# Allegro board A733_PRO2_AXP318_LPDDR4_4X_200BALL_32X1_V1_1.brd (continued)
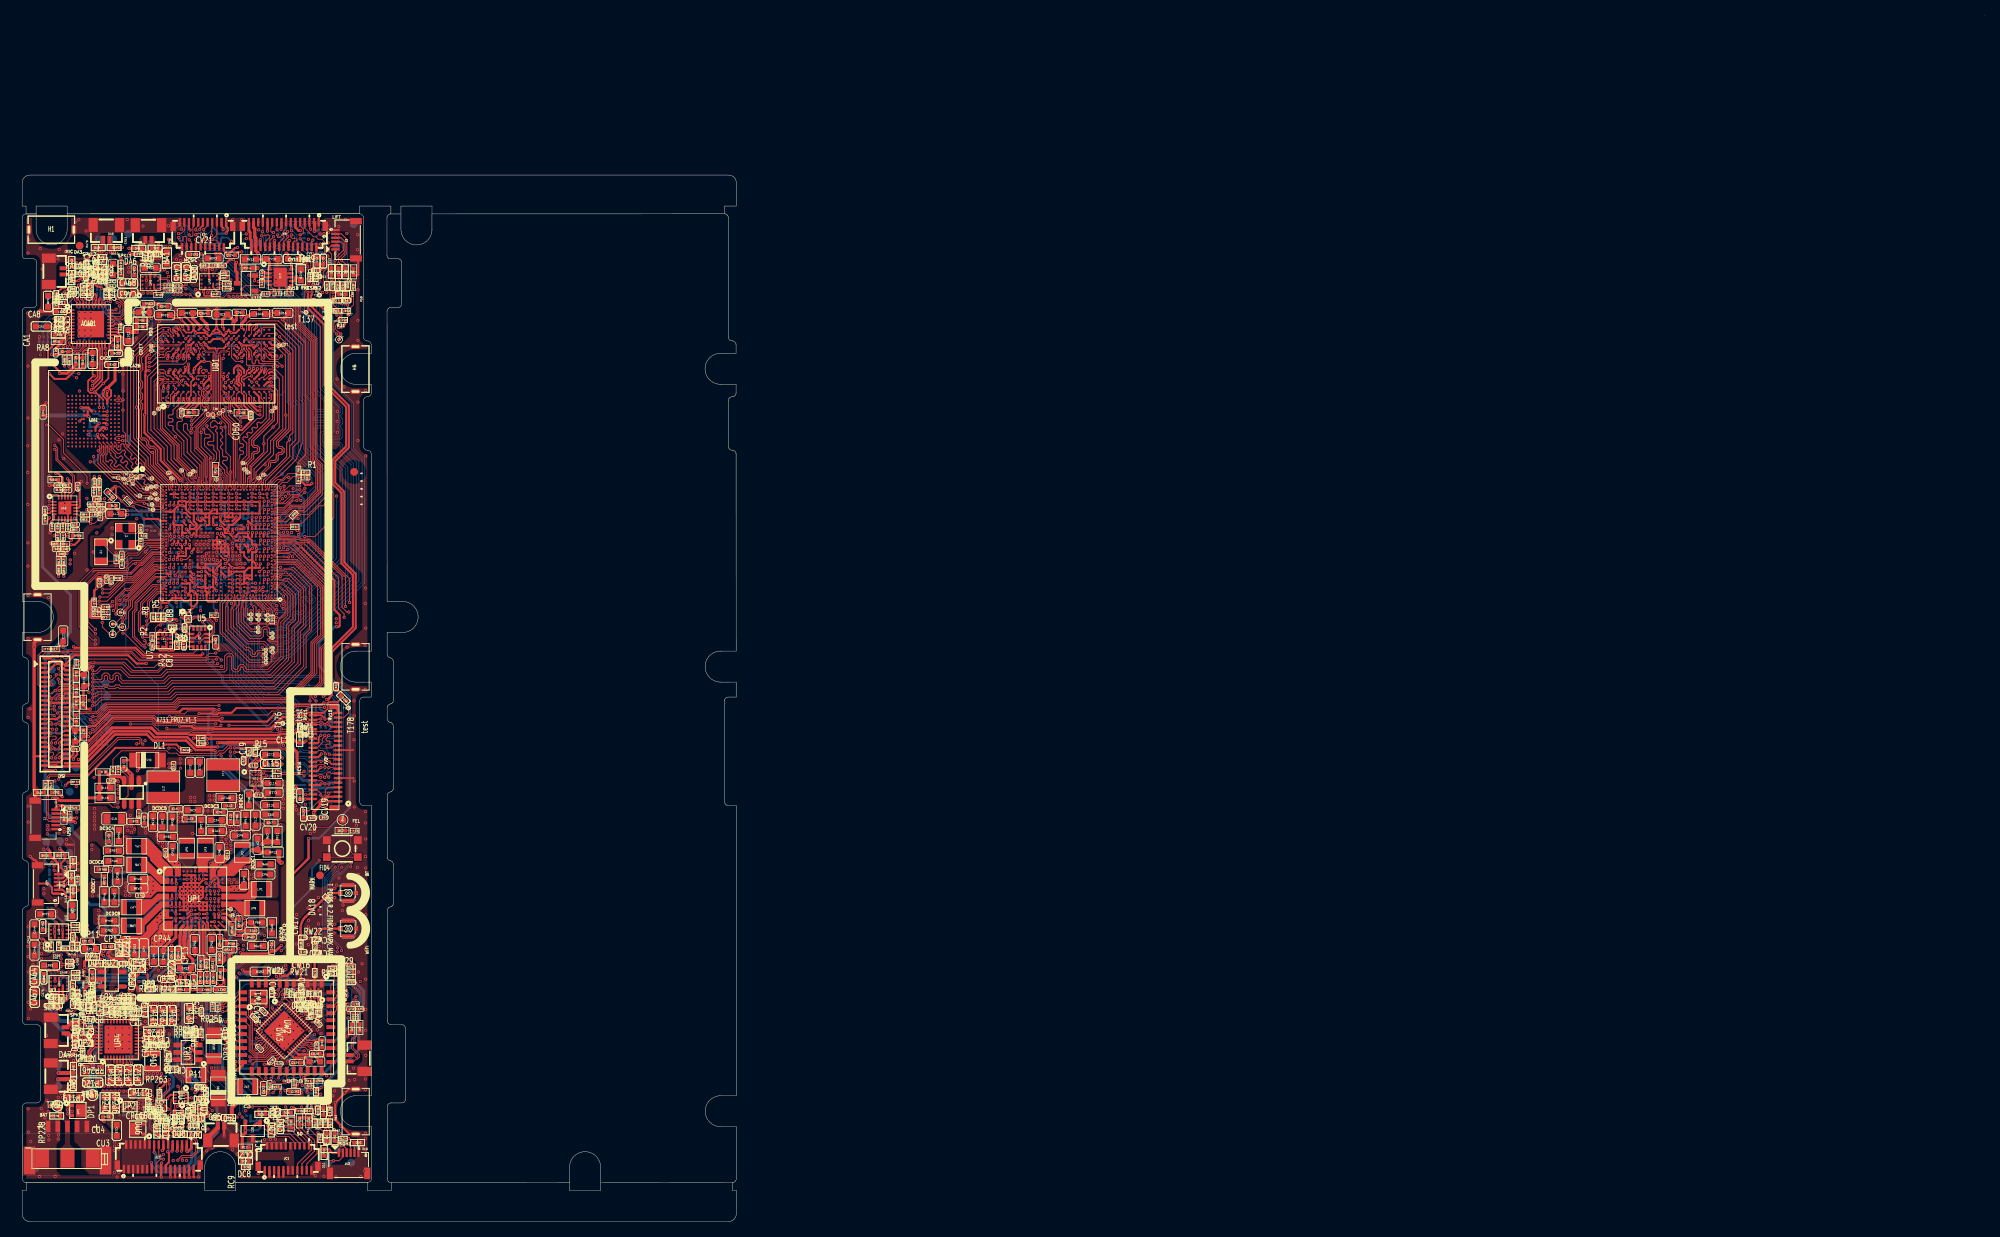
[diagram p0: board, top side]
## Nets (continued)
CLDO1: C21.1 CD45.1 CD46.1 CD47.1 CD48.1 CD49.1 CD50.1 CD51.1 CD52.1 CD53.1 CP32.2 RP7.1 RP36.1 RP263.1 RW37.2 U1.1P22(VCC-PM) UD1.F1(VDD1-0) UD1.F12(VDD1-1) UD1.G4(VDD1-2) UD1.G9(VDD1-3) UD1.T4(VDD1-4) UD1.T9(VDD1-5) UD1.U1(VDD1-6) UD1.U12(VDD1-7)
CLDO2: C116.1 CP33.2 RP32.1 U1.1F13(VCC18-HDMI)
CLDO4: UP1.L8(CLDO4)
CODEC0-AVDD: CA81.1 CA82.1 CA101.1 CA102.1 RA59.2 RA64.2 UA6.10(AVCC) UA6.18(VCC_DIO)
CODEC-IRQ: RA1.1 RA29.2 UA1.24(IRQ)
CODEC-RST: RA2.1 RA20.2
CPUS-RX: RU5.2 TP44.1(TP) U1.K36(PL3/S-UART1-RX/S-UART0-RX/S-TWI)
CPUS-TCK: TP46.1(TP) U1.J37(PL5/S-JTAG-CK/S-TWI2-SDA/S-SPI0) U2.9(INT2)
CPUS-TDI: RV16.2 TP48.1(TP) U1.G36(PL7/S-JTAG-DI/S-UART0-RX/S-SPI0)
CPUS-TDO: JV2.32(HALL-INT) RV11.1 T174.1(TP) TP47.1(TP) U1.H36(PL6/S-JTAG-DO/S-UART0-TX/S-SPI0)
CPUS-TMS: TP45.1(TP) U1.K37(PL4/S-JTAG-MS/S-TWI2-SCK/S-SPI0) U2.4(INT1/INT)
CPUS-TX: RU7.1 TP43.1(TP) U1.L36(PL2/S-UART1-TX/S-UART0-TX/S-TWI) UU1.4(EN)
CPUX-RX: RA4.2 TP38.1(TP) U1.1W3(PB10/UART0-RX/I2S0-DIN3/I2S0-DO)
CPUX-TCK: R32.2 R57.2 R60.2 R61.2 R64.2 TP39.1(TP) U1.AE2(PB1/UART2-RX/UART0-RX/SPI2-CLK/)
CPUX-TDI: R30.2 RA2.2 TP36.1(TP) U1.1U3(PB3/UART2-CTS/SPI2-MISO/HDMI-SD)
CPUX-TDO: R33.2 RA1.2 TP40.1(TP) U1.1U2(PB2/UART2-RTS/SPI2-MOSI/HDMI-SC)
CPUX-TMS: R31.2 R58.2 R59.2 R62.2 R63.2 TP37.1(TP) U1.AE1(PB0/UART2-TX/UART0-TX/SPI2-CS0/)
CPUX-TX: RA3.2 TP35.1(TP) U1.1W4(PB9/UART0-TX/I2S0-DIN2/I2S0-DOU)
CPVDD: CA13.1 RA15.2 UA1.22(CPVDD)
D+: DU7.2(CATHODE) JU1.16 LU1.2 RU12.1
D-: DU8.2(CATHODE) JU1.15 LU1.3 RU11.1
DC8SET: RP55.2 RP57.1 UP1.E11(DC8SET)
DCDC1: CW9.1 CW10.1 CW19.1 CW24.1 CW25.1 RP6.2 UP1.C15(DCDC1#C15) UP1.D15(DCDC1#D15) UW2.9(VBAT) UW3.24(VBAT) UW3.33(VDD33_PA)
DCDC2: C56.1 C57.1 C58.1 C59.1 C60.1 C63.1 C64.1 C65.1 C66.1 C67.1 C68.1 C71.1 C72.1 C73.1 C74.1 C75.1 C76.1 C111.1 C129.1 C131.1 CM7.1 R75.1 RP14.2 RP127.1 U1.1G13(VDD08-HDMI) U1.1J9(VDD-SYS0) U1.1J10(VDD-SYS1) U1.1K9(VDD-SYS2) U1.1L9(VDD-SYS3) U1.1L10(VDD-SYS4) U1.1M10(VDD-SYS5) U1.1P9(VDD-VE0) U1.1R8(VDD-VE1) U1.1R12(VDD-SYS6) U1.1U10(VDD-SYS7) U1.1V18(VDD-SYS8) U1.1V22(VDD-UFS)
DCDC3: C24.1 C25.1 C26.1 C27.1 C28.1 C29.1 C30.1 C31.1 C32.1 C33.1 RP17.2 U1.1J18(VDD-CPUB0) U1.1J19(VDD-CPUB1) U1.1K14(VDD-CPUB2) U1.1K15(VDD-CPUB3) U1.1K16(VDD-CPUB4) U1.1K17(VDD-CPUB5) U1.1K19(VDD-CPUB6) U1.1L15(VDD-CPUB7) U1.1L16(VDD-CPUB8)
DCDC4: C42.1 C43.1 C44.1 C52.1 C53.1 RP24.2 U1.1T15(VDD-GPU0) U1.1T16(VDD-GPU1) U1.1T17(VDD-GPU2) U1.1T18(VDD-GPU3) U1.1U18(VDD-GPU4)
DCDC5: C34.1 C35.1 C36.1 C45.1 C46.1 C47.2 C54.1 C55.1 C130.1 C257.1 C258.1 C259.2 RP30.2 U1.1L18(VDD-CPUL0) U1.1M16(VDD-CPUL1) U1.1M17(VDD-CPUL2) U1.1M18(VDD-CPUL3) U1.1M19(VDD-CPUL4) U1.1P17(VDD-CPUL5) U1.1P18(VDD-CPUL6) U1.1P19(VDD-CPUL7)
DCDC6: CD35.1 CD36.1 CD37.1 CD38.1 CD39.1 CD40.1 CD41.1 CD42.1 RP15.1 RP41.2 U1.1V14(VCC-DRAML0) U1.1W15(VCC-DRAML1) U1.1Y14(VCC-DRAML2) UP1.C2(DCDC6)
DCDC7: CD1.1 CD2.1 CD3.1 CD4.1 CD5.1 CD6.1 CD7.1 CD8.1 CD9.1 CD10.1 CD11.1 CD12.1 CD13.1 CD14.1 CD15.1 CD54.1 CD55.1 CD56.1 CD57.1 CD58.1 RD1.2 RD2.2 RP20.1 RP45.2 U1.1W10(VCC-DRAM0) U1.1W11(VCC-DRAM1) UD1.A4(VDD2-0) UD1.A9(VDD2-1) UD1.AB4(VDD2-22) UD1.AB9(VDD2-23) UD1.F5(VDD2-2) UD1.F8(VDD2-3) UD1.H1(VDD2-4) UD1.H5(VDD2-5) UD1.H8(VDD2-6) UD1.H12(VDD2-7) UD1.K1(VDD2-8) UD1.K3(VDD2-9) UD1.K10(VDD2-10) UD1.K12(VDD2-11) UD1.N1(VDD2-12) UD1.N3(VDD2-13) UD1.N10(VDD2-14) UD1.N12(VDD2-15) UD1.R1(VDD2-16) UD1.R5(VDD2-17) UD1.R8(VDD2-18) UD1.R12(VDD2-19) UD1.U5(VDD2-20) UD1.U8(VDD2-21) UP1.G2(DCDC7)
DCDC8: CP52.2 LP8.2 RP49.1 UP1.J2(DCDC8)
DCDC9: CP50.2 RP54.2 UP1.J14(DCDC9) UP1.P12(ELDOIN)
DCXO-XIN: C61.1 U1.Y36(DXIN) Y1.1(XIN)
DCXO-XOUT: R19.1 U1.AA36(DXOUT)
DDR-PARA-SEL-ADC: R2.2 R7.1 U1.1D25(BOARD-ID-ADC0)
DDR-PARA-SEL-GPIO: R1.1 R6.2 U1.AU2(PH16/UART5-CTS/IR-TX/PH-EINT16)
DECAP2: CW11.2 UW3.4(AVDD0)
DLDO1: C49.1 CP41.2 U1.1W5(VCC-EFUSE) UP1.R3(DLDO1)
DLDO2: UP1.P5(DLDO2)
DLDO4: UP1.P4(DLDO4)
DLDO5: CP46.2 R40.1 UP1.N6(DLDO5)
DLDO6: CP48.2 UP1.M6(DLDO6)
DP-REXT: R68.2 U1.1A19(DP-REXT)
DXLDO-OUT: C41.1 U1.1T21(DXLDO-OUT)
ELDO1: CP51.2 UP1.R13(ELDO1)
ELDO2: UP1.R14(ELDO2)
ELDO3: UP1.P15(ELDO3)
ELDO6: C6.1 C22.1 C23.1 CP58.2 RP56.1 U1.1D21(VDD08-USB) U1.1M20(VDD-CPUS)
EMMC-CLK: RM1.2 T96.1(TP) UM1.M6(CLK)
EMMC-CMD: RM5.1 T97.1(TP) T108.1(TP) U1.AL36(PC6/NAND-RB0/SDC2-CMD/SDC3-CMD/) UM1.M5(CMD)
EMMC-D0: T89.1(TP) T103.1(TP) U1.AR36(PC10/NAND-DQ5/SDC2-D0/SDC3-D0/S) UM1.A3(DAT0)
EMMC-D1: T88.1(TP) T106.1(TP) U1.AP37(PC13/NAND-DQ3/SDC2-D1/SDC3-D1/P) UM1.A4(DAT1)
EMMC-D2: T91.1(TP) T107.1(TP) U1.AN36(PC15/NAND-DQ1/SDC2-D2/SDC3-D2/S) UM1.A5(DAT2)
EMMC-D3: T90.1(TP) T102.1(TP) U1.AT37(PC8/NAND-DQ7/SDC2-D3/SDC3-D3/SP) UM1.B2(DAT3)
EMMC-D4: T94.1(TP) T101.1(TP) U1.AT36(PC9/NAND-DQ6/SDC2-D4/SDC3-D4/SP) UM1.B3(DAT4)
EMMC-D5: T93.1(TP) T100.1(TP) U1.AP36(PC11/NAND-DQ4/SDC2-D5/SDC3-D5/S) UM1.B4(DAT5)
EMMC-D6: T95.1(TP) T105.1(TP) U1.AN37(PC14/NAND-DQ2/SDC2-D6/SDC3-D6/P) UM1.B5(DAT6)
EMMC-D7: T92.1(TP) T104.1(TP) U1.AM36(PC16/NAND-DQ0/SDC2-D7/SDC3-D7/S) UM1.B6(DAT7)
EMMC-DS: RM6.1 T99.1(TP) T110.1(TP) U1.1AD26(PC0/NAND-WE/SDC2-DS/SDC3-DS/PC-) UM1.H5(RCLK)
EMMC-RST: RM4.1 T98.1(TP) T111.1(TP) U1.1AD25(PC1/NAND-ALE/SDC2-RST/SDC3-RST/) UM1.K5(RST)
ENN: RL7.1 U1.1AE1(PH10/DMIC-DATA1/SPI2-MOSI/RGMII) UL1.A1(ENN)
ENP: RL5.1 U1.1AC1(PH9/DMIC-DATA0/SPI2-CS0/RGMII0-) UL1.B1(ENP)
FEL: D12.2(CATHODE) R34.2 TP49.1(TP) U1.1W1(FEL)
FLASH-EN: CV15.1 QV1.1(GATE) RV16.1 RV19.2 RV20.2 UV1.5(EN/SET)
FLASH-MODE: RV15.2 U1.AR2(PH14/UART5-RX/RGMII0-TXD2/RMII0)
FLED+: CV11.1 CV13.1 JV1.30(FLED+) JV1.31(FLED+1) RV14.2 T152.1(TP) UV1.10(VOUT)
FLED-: JV1.28(FLED-) JV1.29(FLED-1) QV1.3(DRAIN) RV18.2 T151.1(TP) UV1.7(FB)
GPADC: T59.1(TP) UP1.L14(GPADC)
GPIO1: T56.1(TP) UP1.L12(GPIO1)
GPIO2: T57.1(TP) UP1.G12(GPIO2)
GPIO3: T58.1(TP) UP1.E12(GPIO3)
GPIOA8-RX: T113.1(TP) T129.1(TP) UW2.30(TCXO_IN) UW3.14(GPIOA8)
GPIOA9-TX: RW33.1 T112.1(TP) T128.1(TP) UW2.29(VDD_TCXO) UW3.15(GPIOA9)
GS-INT: R44.1 U1.1AC2(PH11/DMIC-DATA2/SPI2-MISO/RGMII) U7.5(INT1)
HBIAS: CA27.1 RA30.2 UA1.2(HBIAS)
HP-DET: RA12.2 RA14.2 RA76.1
HP-DET-1: DA14.2(CATHODE) JA7.4 RA76.2 TP97.1(TP)
HPOUTFB-1: CA30.2 CA33.1 DA17.2(CATHODE) JA7.2 RA32.2 RA36.1 RA73.2 TP98.1(TP)
HPOUTFB-2: RA73.1 UA1.18(HPOUTFB) UU2.A2(SENSE)
HPOUTL-1: DA15.2(CATHODE) JA7.1 RA33.1 RA74.2 TP101.1(TP)
HPOUTL-2: CA31.1 RA74.1 UA1.17(HPOUTL) UU3.3(HPOUTL)
HPOUTR-1: DA13.2(CATHODE) JA7.3 RA75.2 TP99.1(TP)
HPOUTR-2: CA29.1 RA75.1 UA1.19(HPOUTR) UU3.9(HPOUTR)
HS-MIC-1: DA16.2(CATHODE) JA7.5 RA72.2 TP100.1(TP)
HS-MIC-2: CA30.1 CA34.1 RA30.1 RA31.2 RA72.1 UU2.C3(MIC)
I2S0-BCLK: U1.AG2(PB5/I2S0-BCLK/SPI2-CS2/PWM0-1/L) UA1.29(BCLK) UA6.1(BCLK)
I2S0-DIN0: U1.AJ2(PB8/CLK-FANOUT3/I2S0-DIN0/I2S0-) UA1.27(SDOUT) UA6.3(PDMDAT/DOUT)
I2S0-DOUT0: U1.AH2(PB7/CLK-FANOUT2/I2S0-DOUT0/I2S0) UA1.26(SDIN)
I2S0-LRCK: U1.AH1(PB6/CLK-FANOUT1/I2S0-LRCK/SPI2-) UA1.28(LRCK) UA6.2(PDMCLK/LRCK)
I2S0-MCLK: RA99.1 UA1.30(MCLK) UA6.20(MCLK)
LCD-FMASK: JL1.20(TE) RL42.1 RL43.2 U1.1C1(PJ25/PWM1-7/UART4-RX/TWI4-SDA/S)
LCD-PWM: RL8.1 U1.1L1(PD22/PWM0-4/EINK-STV/PCIE-PERST)
LCD-RST: CL16.1 JL1.19(REST) U1.1L2(PD21/LCD0-VSYNC/TWI0-SDA/EINK-M)
LDOIN/RSTN: CA17.1 RA17.1 RA18.2 RA20.1 UA1.36(LDOIN/RSTN)
LINEINL/MICIN4N: CA32.1 RA85.2 UA1.4(LINEINL/MIC4N)
LINEINR/MICIN4P: CA28.1 RA86.2 UA1.3(LINEINR/MIC4P)
LRADC0: C86.1 C110.1 D1.2(CATHODE) D7.2(CATHODE) R25.1 R26.1 R27.2 R49.2 R50.1 R51.1 U1.1D23(LRADC0)
MBIAS: CA5.2 CA15.2 RA5.2 RA19.2 UA1.38(MBIAS)
MBIAS1: CA91.1 UA6.5(MICBIAS1)
MBIAS2: CA92.1 UA6.13(MICBIAS2)
MCSI-MCLK: CV2.1 CV21.1 JV1.7(MCLK) JV3.7(MCLK) RV1.2 T137.1(TP)
MCSI-MCLK-2: CV20.1 JV2.7(MCLK) RV26.2 T159.1(TP)
MCSI-RST-F: CV3.1 JV2.5(RST) RV4.2 T158.1(TP) U1.B3(PE7/CLK-FANOUT2/HDMI-SCL/I2S3-B)
MCSI-RST-R: CV1.1 JV1.5(RST-B) RV2.2 T130.1(TP) T133.1(TP) U1.A2(PE9/MCSI2-MCLK/TCON-FSYNC0/I2S3)
MCSI-RST-R2: CV4.1 CV16.1 CV22.1 CV23.1 JV1.4(VAF28) JV3.4(VAF28) JV3.5(RST-B) RV5.1 RV22.2 T136.1(TP) U1.B5(PE2/TWI2-SDA/CSI0-XVS-FSYNC/SPI)
MCSI-STBY-F: JV2.6(PWDN) RV6.2 T155.1(TP) U1.1C5(PE6/CLK-FANOUT1/HDMI-CEC/I2S3-D)
MCSI-STBY-R: JV1.10(PWDN-B) RV3.2 T139.1(TP) U1.B2(PE8/CLK-FANOUT3/HDMI-SDA/I2S3-L)
MCSI-STBY-R2: JV3.10(PWDN-B) RV23.2 U1.D1(PE15/SPI3-CS1/PWM1-9/IR-RX/TWI9)
MCSIA-CKN: JV2.12(MCKN) T67.1(TP) T163.1(TP) U1.1B7(PK4/MCSIA-CKN/PCIE-WAKEN/I2S4-D)
MCSIA-CKP: JV2.13(MCKP) T66.1(TP) T164.1(TP) U1.1A7(PK5/MCSIA-CKP/PCIE-CLKREQN/PWM1)
MCSIA-D0N: JV2.15(MD0N) T61.1(TP) T165.1(TP) U1.1D11(PK0/MCSIA-D0N/UART6-DCD/I2S4-BC)
MCSIA-D0P: JV2.16(MD0P) T62.1(TP) T166.1(TP) U1.1C11(PK1/MCSIA-D0P/UART6-DSR/I2S4-MC)
MCSIA-D1N: JV2.18(MD1N) T64.1(TP) T167.1(TP) U1.1B11(PK2/MCSIA-D1N/UART6-DTR/I2S4-LR)
MCSIA-D1P: JV2.19(MD1P) T65.1(TP) T168.1(TP) U1.1A11(PK3/MCSIA-D1P/UART6-RI/I2S4-DIN)
MCSIA-D2N: JV2.21(MD2N) T69.1(TP) T169.1(TP) U1.1B9(PK6/MCSIA-D2N/TWI2-SCK/UART4-TX)
MCSIA-D2P: JV2.22(MD2P) T68.1(TP) T170.1(TP) U1.1A9(PK7/MCSIA-D2P/TWI2-SDA/UART4-RX)
MCSIA-D3N: JV2.24(MD3N) T71.1(TP) T171.1(TP) U1.1E9(PK8/MCSIA-D3N/MCSI0-MCLK/UART4-)
MCSIA-D3P: JV2.25(MD3P) T70.1(TP) T172.1(TP) U1.1D9(PK9/MCSIA-D3P/MCSI2-MCLK/UART4-)
MCSIB-CKN: JV1.12(MCKN) T78.1(TP) T140.1(TP) U1.B13(PK14/MCSIB-CKN/PCIE-PERSTN/PWM0)
MCSIB-CKP: JV1.13(MCKP) T77.1(TP) T141.1(TP) U1.B14(PK15/MCSIB-CKP/PWM0-8/NCSI1-D4/)
MCSIB-D0N: JV1.15(MD0N) T73.1(TP) T142.1(TP) U1.B16(PK10/MCSIB-D0N/UART6-TX/PWM0-3/)
MCSIB-D0P: JV1.16(MD0P) T72.1(TP) T143.1(TP) U1.B17(PK11/MCSIB-D0P/UART6-RX/PWM0-4/)
MCSIB-D1N: JV1.18(MD1N) T75.1(TP) T144.1(TP) U1.A15(PK12/MCSIB-D1N/UART6-RTS/PWM0-5)
MCSIB-D1P: JV1.19(MD1P) T74.1(TP) T145.1(TP) U1.A16(PK13/MCSIB-D1P/UART6-CTS/PWM0-6)
MCSIB-D2N: JV1.21(MD2N) T79.1(TP) T146.1(TP) U1.A12(PK16/MCSIB-D2N/TWI3-SCK/UART2-T)
MCSIB-D2P: JV1.22(MD2P) T76.1(TP) T147.1(TP) U1.A13(PK17/MCSIB-D2P/TWI3-SDA/UART2-R)
MCSIB-D3N: JV1.24(MD3N) T81.1(TP) T148.1(TP) U1.B11(PK18/MCSIB-D3N/MCSI1-MCLK/UART2)
MCSIB-D3P: JV1.25(MD3P) T80.1(TP) T149.1(TP) U1.B12(PK19/MCSIB-D3P/MCSI2-MCLK/UART2)
MCSIC-CKN: JV3.12(MCKN) T87.1(TP) U1.B7(PK24/MCSIC-CKN/MCSI0-MCLK/PWM0-)
MCSIC-CKP: JV3.13(MCKP) T84.1(TP) U1.B8(PK25/MCSIC-CKP/MCSI1-MCLK/PWM0-)
MCSIC-D0N: JV3.15(MD0N) T83.1(TP) U1.A10(PK20/MCSIC-D0N/TWI2-SCK/UART3-T)
MCSIC-D0P: JV3.16(MD0P) T82.1(TP) U1.B10(PK21/MCSIC-D0P/TWI2-SDA/UART3-R)
MCSIC-D1N: JV3.18(MD1N) T86.1(TP) U1.B9(PK22/MCSIC-D1N/TWI3-SCK/UART3-R)
MCSIC-D1P: JV3.19(MD1P) T85.1(TP) U1.A9(PK23/MCSIC-D1P/TWI3-SDA/UART3-C)
MIC1N-MIC: DA2.2(CATHODE) JA1.2 RA101.1
MIC1P-MIC: DA1.2(CATHODE) JA1.1 RA100.1
MIC2N/MIC3N: RA78.2 RA80.2 UA1.39(MIC2N/MIC3N)
MIC2N/MIC3N-1: CA22.1 RA78.1
MIC2N/MIC3N-MIC: DA4.2(CATHODE) JA2.2 RA103.1
MIC2P/MIC3P: RA77.2 RA79.2 UA1.37(MIC2P/MIC3P)
MIC2P/MIC3P-1: CA19.1 RA77.1
MIC2P/MIC3P-MIC: DA3.2(CATHODE) JA2.1 RA102.1
MIC-GND-SEL: U1.AN1(PH6/UART3-RTS/I2S2-DOUT1/I2S2-D) UU2.B2(SEL)
MICIN1N: CA9.1 UA1.1(MIC1N)
MICIN1N-AC107: RA82.1 UA6.6(MIC1N)
MICIN1P: CA6.1 UA1.40(MIC1P)
MICIN1P-AC107: RA81.1 UA6.7(MIC1P)
MICIN2N-AC107: RA84.1 UA6.12(MIC2N)
MICIN2P-AC107: RA83.1 UA6.11(MIC2P)
MIPI-DSI0-CKN: JL1.32(CLK-) TP73.1(TP) U1.G2(PD5/LCD0-D7/LVDS0-D2N/DSI0-CKN/)
MIPI-DSI0-CKP: JL1.33(CLK+) TP72.1(TP) U1.G1(PD4/LCD0-D6/LVDS0-D2P/DSI0-CKP/)
MIPI-DSI0-DN0: JL1.26(D0-) TP68.1(TP) U1.E2(PD1/LCD0-D3/LVDS0-D0N/DSI0-D0N/)
MIPI-DSI0-DN1: JL1.29(D1-) TP71.1(TP) U1.F1(PD3/LCD0-D5/LVDS0-D1N/DSI0-D1N/)
MIPI-DSI0-DN2: JL1.35(D2-) TP74.1(TP) U1.J2(PD7/LCD0-D11/LVDS0-CKN/DSI0-D2N)
MIPI-DSI0-DN3: JL1.38(D3-) TP76.1(TP) U1.K2(PD9/LCD0-D13/LVDS0-D3N/DSI0-D3N)
MIPI-DSI0-DP0: JL1.27(D0+) TP69.1(TP) U1.D2(PD0/LCD0-D2/LVDS0-D0P/DSI0-D0P/)
MIPI-DSI0-DP1: JL1.30(D1+) TP70.1(TP) U1.F2(PD2/LCD0-D4/LVDS0-D1P/DSI0-D1P/)
MIPI-DSI0-DP2: JL1.36(D2+) TP75.1(TP) U1.J1(PD6/LCD0-D10/LVDS0-CKP/DSI0-D2P)
MIPI-DSI0-DP3: JL1.39(D3+) TP77.1(TP) U1.K1(PD8/LCD0-D12/LVDS0-D3P/DSI0-D3P)
MIPI-LCD-ID0: JL1.23(ID0) RL19.2 RL22.1 U1.1E2(PJ22/PWM1-4/UART3-TX/UART2-RTS/)
MIPI-LCD-ID1: JL1.22(ID1) RL20.2 RL23.1 U1.1E1(PJ23/PWM1-5/UART3-RX/UART2-CTS/)
MIPI-LCD-ID2: JL1.21(ID2) RL18.1 RL21.2 U1.1C2(PJ24/PWM1-6/UART4-TX/TWI4-SCK/S)
OVP-INT: RP234.2 U1.AP2(PH13/UART5-TX/RGMII0-TXD3/RMII0) UP2.B1(ACOK#)
PA-VDD-L: BA1.1 CA35.1 CA36.1 CA37.1 CA60.1 CA61.1 CA65.1 RA92.1 UA2.D4(VDD) UA5.D4(VDD)
PA-VDD-R: BA2.1 CA40.1 CA41.1 CA42.1 CA57.1 CA58.1 CA59.1 RA50.1 RA95.1 RA98.1 UA3.D4(VDD) UA4.D4(VDD)
PCIE-REXT: R66.2 U1.1C19(PCIE-REXT/USB2-U3-REXT)
PMU-PWRON: CP10.2 R29.1 R53.1 RP244.2 UP1.G13(PWRON)
PMU-SCK: RP10.2 U1.M37(PL0/S-TWI0-SCK/S-TWI1-SCK/S-TWI) UP1.J13(SCK) UP4.32(SCL)
PMU-SDA: RP9.2 U1.M36(PL1/S-TWI0-SDA/S-TWI1-SDA/S-TWI) UP1.J12(SDA) UP4.33(SDA)
POWKEY: D5.2(CATHODE) J2.2 R29.2 TP30.1(TP)
POWKEY-1: D11.2(CATHODE) J12.2 R53.2 TP52.1(TP)
PS: BA1.2 BA2.2 CL1.2 CL3.2 CL4.2 CL9.2 CP1.2 CP3.1 CP8.1 CP15.1 CP23.1 CP30.1 CP31.2 CP38.1 CP40.2 CP43.1 CP49.1 CP56.1 CP103.2 CP136.1 LL1.1 LL2.1 LP11.1 RP220.1 RV13.1 RV14.1 UL1.C1(VIN) UL2.6(VDD) UP1.A3(VIN45#A3) UP1.A4(VIN45#A4) UP1.A12(VIN23#A12) UP1.A13(VIN23#A13) UP1.B3(VIN45#B3) UP1.B4(VIN45#B4) UP1.B12(VIN23#B12) UP1.B13(VIN23#B13) UP1.C12(VIN23#C12) UP1.D14(VIN19#D14) UP1.E1(VIN678#E1) UP1.E2(VIN678#E2) UP1.E3(VIN678#E3) UP1.E14(VIN19#E14) UP1.E15(VIN19#E15) UP1.F1(VIN678#F1) UP1.F2(VIN678#F2) UP1.F3(VIN678#F3) UP1.F15(VIN19#F15) UP1.L1(PS#L1) UP1.M1(PS#M1) UP1.N1(PS#N1) UP1.N2(AIN156) UP1.R8(DLDOIN) UP1.R12(CLDOIN) UP3.5(VIN)
RESET-KEY: D4.2(CATHODE) J2.5 R28.2 TP33.1(TP)
RESET-KEY-1: D10.2(CATHODE) J12.5 R52.2 TP54.1(TP)
RTC-VIO: C40.1 U1.1P23(RTC-VIO)
RTCLDO-BMU: CP129.2 RP19.1 UP4.34(RTCLDO)
RTCLDO-PMU: CP2.2 RP55.1 TP56.1(TP) UP1.M15(VRTC)
SBU1: DU9.2(CATHODE) RU9.1 UU2.A1(SNS1) UU2.B1(CON1)
SBU2: DU10.2(CATHODE) RU10.1 UU2.A3(SNS2) UU2.B3(CON2)
SCA0-A: U1.1AE16(SCA5-A) UD1.H2(CA0_A)
SCA0-B: U1.1AF12(SCA0-B) UD1.R2(CA0_B)
SCA1-A: U1.1AF16(SCA2-A) UD1.J2(CA1_A)
SCA1-B: U1.1AE12(SCA1-B) UD1.P2(CA1_B)
SCA2-A: U1.1AB16(SCA4-A) UD1.H9(CA2_A)
SCA2-B: U1.1AE10(SCA2-B) UD1.R9(CA2_B)
SCA3-A: U1.1AC16(SCA3-A) UD1.H10(CA3_A)
SCA3-B: T28.1(TP) U1.1AF10(SCA3-B) UD1.R10(CA3_B)
SCA4-A: U1.1AE14(SCA1-A) UD1.H11(CA4_A)
SCA4-B: U1.1AC10(SCA5-B) UD1.R11(CA4_B)
SCA5-A: T27.1(TP) U1.1AC14(SCA0-A) UD1.J11(CA5_A)
SCA5-B: U1.1AB10(SCA4-B) UD1.P11(CA5_B)
SCKE0-A: U1.AU24(SCKE0-A) UD1.J4(CKE0_A)
SCKE0-B: U1.AT16(SCKE0-B) UD1.P4(CKE0_B)
SCKE1-A: U1.AU21(SCKE1-A) UD1.J5(CKE1_A)
SCKE1-B: U1.AU16(SCKE1-B) UD1.P5(CKE1_B)
SCKN-A: T35.1(TP) U1.AT22(SCKN-A) UD1.J9(CK_C_A)
SCKN-B: T36.1(TP) U1.AT15(SCKN-B) UD1.P9(CK_C_B)
SCKP-A: T38.1(TP) U1.AT23(SCKP-A) UD1.J8(CK_T_A)
SCKP-B: T39.1(TP) U1.AT14(SCKP-B) UD1.P8(CK_T_B)
SCS0-A: T30.1(TP) U1.AT21(SCS0-A) UD1.H4(CS0_A)
SCS0-B: T31.1(TP) U1.AU18(SCS0-B) UD1.R4(CS0_B)
SCS1-A: T33.1(TP) U1.1AF14(SCS1-A) UD1.H3(CS1_A)
SCS1-B: T34.1(TP) U1.AT18(SCS1-B) UD1.R3(CS1_B)
SD-PWN: RC7.1 U1.AM2(PH5/UART3-RX/I2S2-DIN1/I2S2-DOU)
SDC0-CLK: DC3.2(CATHODE) JC1.18(CLK) RC1.2
SDC0-CMD: DC2.2(CATHODE) JC1.19(CMD) RC4.1 U1.AD2(PF1/SDC0-CMD/JTAG-DO/TRACE-DATA)
SDC0-D0: DC7.2(CATHODE) JC1.14(D0) U1.AB2(PF3/SDC0-D0/JTAG-DI/TRACE-DATA0)
SDC0-D1: DC6.2(CATHODE) JC1.15(D1) U1.1U1(PF0/SDC0-D1/JTAG-MS/TRACE-DATA3)
SDC0-D2: DC5.2(CATHODE) JC1.16(D2) U1.1R4(PF5/SDC0-D2/JTAG-CK/TRACE-DATA1)
SDC0-D3: DC4.2(CATHODE) JC1.17(D3) U1.1R1(PF4/SDC0-D3/UART0-RX/UART5-RX/P)
SDC0-DET: RC6.1 U1.1R3(PF6/PF-EINT6)
SDQ0: U1.1AF22(SDQ0) UD1.E9(DQ13_A)
SDQ1: U1.AU31(SDQ1) UD1.F9(DQ12_A)
SDQ2: U1.1AC20(SDQ2) UD1.B11(DQ8_A)
SDQ3: U1.1AE22(SDQ3) UD1.C9(DQ14_A)
SDQ4: U1.AT35(SDQ4) UD1.C11(DQ9_A)
SDQ5: U1.AU36(SDQ5) UD1.E11(DQ10_A)
SDQ6: U1.1AB20(SDQ6) UD1.B9(DQ15_A)
SDQ7: T7.1(TP) T10.1(TP) U1.1AE24(SDQ7) UD1.F11(DQ11_A)
SDQ8: U1.1AF18(SDQ8) UD1.E4(DQ5_A)
SDQ9: U1.AU25(SDQ9) UD1.F2(DQ3_A)
SDQ10: U1.1AE18(SDQ10) UD1.C2(DQ1_A)
SDQ11: U1.AT25(SDQ11) UD1.E2(DQ2_A)
SDQ12: U1.1AE20(SDQ12) UD1.F4(DQ4_A)
SDQ13: T3.1(TP) T8.1(TP) U1.AT29(SDQ13) UD1.B4(DQ7_A)
SDQ14: U1.1AC18(SDQ14) UD1.B2(DQ0_A)
SDQ15: U1.AU30(SDQ15) UD1.C4(DQ6_A)
SDQ16: U1.1AE8(SDQ16) UD1.V2(DQ2_B)
SDQ17: U1.AU13(SDQ17) UD1.Y2(DQ1_B)
SDQ18: U1.AU12(SDQ18) UD1.AA2(DQ0_B)
SDQ19: U1.1AF8(SDQ19) UD1.U2(DQ3_B)
SDQ20: U1.AU9(SDQ20) UD1.AA4(DQ7_B)
SDQ21: U1.1AB8(SDQ21) UD1.V4(DQ5_B)
SDQ22: U1.AT9(SDQ22) UD1.Y4(DQ6_B)
SDQ23: T5.1(TP) T19.1(TP) U1.1AC6(SDQ23) UD1.U4(DQ4_B)
SDQ24: U1.1AE4(SDQ24) UD1.Y9(DQ14_B)
SDQ25: U1.1AF4(SDQ25) UD1.V9(DQ13_B)
SDQ26: U1.1AB6(SDQ26) UD1.U9(DQ12_B)
SDQ27: U1.1AC4(SDQ27) UD1.AA9(DQ15_B)
SDQ28: U1.AT4(SDQ28) UD1.V11(DQ10_B)
SDQ29: U1.AU4(SDQ29) UD1.Y11(DQ9_B)
SDQ30: T17.1(TP) T20.1(TP) U1.1AE2(SDQ30) UD1.AA11(DQ8_B)
SDQ31: U1.AT3(SDQ31) UD1.U11(DQ11_B)
SDQM0: U1.AT34(SDQM0) UD1.C10(DM1_A)
SDQM1: U1.1AF20(SDQM1) UD1.C3(DM0_A)
SDQM2: U1.1AC8(SDQM2) UD1.Y3(DM0_B)
SDQM3: U1.1AF2(SDQM3) UD1.Y10(DM1_B)
SDQS0N: T11.1(TP) T14.1(TP) U1.AT31(SDQS0N) UD1.E10(DQS1N_A)
SDQS0P: T15.1(TP) T18.1(TP) U1.AT32(SDQS0P) UD1.D10(DQS1P_A)
SDQS1N: T9.1(TP) T12.1(TP) U1.AU27(SDQS1N) UD1.E3(DQS0N_A)
SDQS1P: T13.1(TP) T16.1(TP) U1.AT27(SDQS1P) UD1.D3(DQS0P_A)
SDQS2N: T4.1(TP) T23.1(TP) U1.AT11(SDQS2N) UD1.V3(DQS0N_B)
SDQS2P: T6.1(TP) T40.1(TP) U1.AT10(SDQS2P) UD1.W3(DQS0P_B)
SDQS3N: T21.1(TP) T24.1(TP) U1.AU7(SDQS3N) UD1.V10(DQS1N_B)
SDQS3P: T25.1(TP) T37.1(TP) U1.AT7(SDQS3P) UD1.W10(DQS1P_B)
SPKL1+: CA54.1 CA95.1 DA5.2(CATHODE) JA3.1 RA44.2 TP21.1(TP)
SPKL1-: CA53.1 CA98.1 DA6.2(CATHODE) JA3.2 RA47.2 TP23.1(TP)
SPKL2+: CA78.1 DA10.2(CATHODE) JA5.1 RA54.2 TP26.1(TP)
SPKL2-: CA77.1 DA9.2(CATHODE) JA5.2 RA58.2 TP28.1(TP)
SPKR1+: CA56.1 CA85.1 DA7.2(CATHODE) JA4.1 RA43.2 TP22.1(TP)
SPKR1-: CA55.1 CA88.1 DA8.2(CATHODE) JA4.2 RA48.2 TP24.1(TP)
SPKR2+: CA76.1 DA11.2(CATHODE) JA6.1 RA52.2 TP25.1(TP)
SPKR2-: CA75.1 DA12.2(CATHODE) JA6.2 RA56.2 TP27.1(TP)
SPOLN: CA47.2 CA70.2 UA1.12(SPOLN)
SPOLP: CA49.2 CA72.2 UA1.11(SPOLP)
SPORN: CA48.2 CA69.2 UA1.10(SPORN)
SPORP: CA50.2 CA71.2 UA1.9(SPORP)
SRST: U1.1AC12(SRST) UD1.T11(RESET-N)
SWOUT1: CL19.1 CL20.2 DL7.2(CATHODE) JL1.42(VDD33-0) JL1.43(VDD33-1) RL19.1 RL20.1 RL21.1 RL43.1 RP11.2
SWOUT2: CC1.1 CM1.1 CM4.1 CU5.2 CU6.2 QC1.2(S) R30.1 R31.1 R32.1 R33.1 RC2.1 RC5.1 RP13.2 RP28.1 RP53.1 RP242.2 RU14.2 RU15.2 TP34.1(TP) UM1.E6(VCC1) UM1.F5(VCC2) UM1.J10(VCC3) UM1.K9(VCC4) UP5.A3(VDD) UU2.C1(VDD) UU3.1(VCC)
TEST1: T60.1(TP) UP1.G3(TEST1)
TP-GPIO1: JL1.3(GPIO1) U1.1J1(PD14/LCD0-D20/LVDS1-D2P/DSI1-CK)
TP-GPIO2: RL47.2 RL48.1 U1.1J2(PD15/LCD0-D21/LVDS1-D2N/DSI1-CK)
TP-INT: DL5.2(CATHODE) JL1.13(TP_INT) RL36.1 TP65.1(TP) U1.N2(PD18/LCD0-CLK/LVDS1-D3P/DSI1-D3)
TP-INT-SENSORHUB: JL1.6(GPIO2) RL48.2
TP-RST: DL6.2(CATHODE) JL1.12(TP_RST) RL37.1 RL38.2 TP64.1(TP) U1.N1(PD19/LCD0-DE/LVDS1-D3N/DSI1-D3N)
TP-SPI-CLK: RL26.1 RL45.1 U1.1J3(PD11/LCD0-D15/LVDS1-D0N/DSI1-D0)
TP-SPI-CLK-1: JL1.10(TP_SPI_SCLK) RL45.2 TP62.1(TP)
TP-SPI-CS0: RL27.1 RL44.1 U1.1J4(PD10/LCD0-D14/LVDS1-D0P/DSI1-D0)
TP-SPI-CS0-1: JL1.11(TP_SPI_CS) RL44.2 TP63.1(TP)
TP-SPI-MISO: RL24.1 RL31.1 RL33.1 U1.1G1(PD13/LCD0-D19/LVDS1-D1N/DSI1-D1)
TP-SPI-MISO-1: JL1.9(TP_SPI_SDO) RL31.2 RL32.2 TP61.1(TP)
TP-SPI-MOSI: RL25.1 RL30.1 RL32.1 U1.1G2(PD12/LCD0-D18/LVDS1-D1P/DSI1-D1)
TP-SPI-MOSI-1: JL1.8(TP_SPI_SDI) RL30.2 RL33.2 TP60.1(TP)
TS: JP1.3 JP2.2(TS) RP21.1 RP228.2 TP59.1(TP) UP4.36(TS)
TWI0-SCK: RA90.1 RA94.1 RA97.1 U1.AK1(PH0/TWI0-SCK/I2S2-DOUT2/I2S2-DI) UA2.E4(SCL) UA5.E4(SCL)
TWI0-SDA: RA91.1 RA93.1 RA96.1 U1.AK2(PH1/TWI0-SDA/I2S2-DOUT3/I2S2-DI) UA2.E3(SDA) UA5.E3(SDA)
TWI1-SCK: JV2.35(SCL-LSENSOR) R39.1 RL17.2 T176.1(TP) U1.1AA2(PH2/TWI1-SCK/I2S2-MCLK/RGMII0-R) U2.13(SCL/SCLK) U5.A2(SCL) U7.12(SCX)
TWI1-SDA: JV2.34(SDA-LSENSOR) R38.1 RL15.2 T175.1(TP) U1.1AA1(PH3/TWI1-SDA/I2S2-BCLK/RGMII0-C) U2.14(SDA/SDIO/SDI) U5.B2(SDA) U7.2(SDX)
TWI2-SCK: DL3.2(CATHODE) JL1.15(TP_SCL) RL34.2 TP66.1(TP) U1.M2(PD16/LCD0-D22/LVDS1-CKP/DSI1-D2)
TWI2-SDA: DL4.2(CATHODE) JL1.14(TP_SDA) RL35.2 TP67.1(TP) U1.M1(PD17/LCD0-D23/LVDS1-CKN/DSI1-D2)
TWI3-SCK: JV1.9(SCL) JV3.9(SCL) RV7.2 T134.1(TP) U1.B4(PE3/TWI3-SCK/CSI1-XVS-FSYNC/PWM)
TWI3-SDA: JV1.8(SDA) JV3.8(SDA) RV8.2 T138.1(TP) U1.A4(PE4/TWI3-SDA/LEDC/PWM0-1/SPI3-C)
TWI4-SCK: JV2.10(SCL) RV24.2 T162.1(TP) U1.1A3(PE10/TWI4-SCK/TCON-FSYNC1/I2S3-)
TWI4-SDA: JV2.9(SDA) RV25.2 T161.1(TP) U1.1A1(PE11/TWI4-SDA/SPI3-MISO/I2S3-DI)
TWI8-SCK: RA3.1 RA27.1 RP271.2 UA1.32(SCK) UA6.16(SCK) UP5.B3(SCL)
TWI8-SDA: RA4.1 RA28.1 RP272.2 UA1.31(SDA) UA6.17(SDA) UP5.C3(SDA)
TYPEC-DM: LU1.4 RU11.2 UU3.5(DM/L)
TYPEC-DM-1: RP252.1 RU18.1 RU35.1 UU3.2(USB-DM)
TYPEC-DP: LU1.1 RU12.2 UU3.7(DP/R)
TYPEC-DP-1: RP251.1 RU17.1 RU34.1 UU3.10(USB-DP)
UFS-REXT: RM9.2 U1.1V26(UFS-REXT)
USB0-DM: RU18.2 U1.D36(USB0-DM)
USB0-DP: RU17.2 U1.D37(USB0-DP)
USB0-REXT: R14.2 U1.1B23(USB0-REXT)
USB1-DM: RU3.2 U1.F36(USB1-DM)
USB1-DP: RU4.2 U1.E36(USB1-DP)
USB1-REXT: R67.2 U1.1A25(USB1-REXT)
USB2-DM: RU35.2 U1.B37(USB2-DM)
USB2-DP: RU34.2 U1.C36(USB2-DP)
USB2-REXT: R48.2 U1.1A23(USB2-REXT)
USB2-SW: RU15.1 U1.AL2(PH7/UART3-CTS/SPI2-CS2/DSI-TRIG) UU3.4(SEL)
USB2-SW-EN: RU14.1 U1.AP1(PH8/DMIC-CLK/SPI2-CLK/RGMII0-MD) UU3.8(EN)
USB-UPGRADE-COMBO1-SEL-ADC: R12.2 R13.2 U1.1F24(GPADC3)
V-CORE: CW26.1 CW28.2 UW3.10(V_CORE0) UW3.23(V_CORE1)
VDD-CORE/HP-DET: CA11.1 RA12.1 UA1.35(VDD-CORE/HP_DET)
VLED+: CL5.2 CL6.2 CL7.2 DL1.2 JL1.1(LEDA) JL1.2(LEDA1) UL2.5(OVP)
VLED-: JL1.4(LEDK) JL1.5(LEDK1) RL9.2 RL11.1 RL16.1
VOL+: D2.2(CATHODE) J2.3 R25.2 R57.1 TP31.1(TP)
VOL+1: D8.2(CATHODE) J12.3 R50.2 R61.1 TP51.1(TP)
VOL-: D3.2(CATHODE) J2.4 R26.2 R58.1 TP32.1(TP)
VOL-1: D9.2(CATHODE) J12.4 R51.2 R62.1 TP50.1(TP)
VRA1/MIC2P: CA2.1 RA87.2 UA1.14(VRA1/MIC2P)
VRA2/MIC2N: CA4.2 RA6.2 RA88.2 UA1.13(VRA2/MIC2N)
VREF: CP21.2 UP1.N10(VREF)
WL-REG-ON: RW15.1 RW17.2 U1.R37(PM1/S-JTAG-CK/S-SPI0-CLK/S-RJTA) UW2.12(WL_REG_ON) UW3.34(PWR_WF)
WL-SDIO-CLK: CW15.2 RW1.2 RW11.1 UW2.17(SDIO_DATA_CLK) UW3.20(GPIOA12)
WL-SDIO-CMD: RW12.1 U1.1N2(PG1/SDC1-CMD/LCD0-D1/PWM1-2/LPC) UW2.16(SDIO_DATA_CMD) UW3.19(GPIOA13)
WL-SDIO-D0: RW10.1 U1.1N1(PG2/SDC1-D0/LCD0-D8/PWM1-3/LPC-) UW2.18(SDIO_DATA_0) UW3.21(GPIOA11)
WL-SDIO-D1: RW9.1 U1.R2(PG3/SDC1-D1/LCD0-D9/PWM1-4/LPC-) UW2.19(SDIO_DATA_1) UW3.22(GPIOA10)
WL-SDIO-D2: RW14.1 U1.R1(PG4/SDC1-D2/LCD0-D16/PWM1-5/LPC) UW2.14(SDIO_DATA_2) UW3.17(GPIOA15)
WL-SDIO-D3: RW13.1 U1.T2(PG5/SDC1-D3/LCD0-D17/PWM1-6/LPC) UW2.15(SDIO_DATA_3) UW3.18(GPIOA14)
WL-WAKE-AP: U1.T37(PM0/S-JTAG-MS/S-SPI0-CS0/S-RJTA) UW2.13(WL_HOST_WAKE) UW3.47(GPIOB1)
X32KIN: C62.1 R18.1 U1.W37(X32KIN) Y2.1
X32KOUT: C70.1 R18.2 U1.V37(X32KOUT) Y2.2
XTAL0: UW3.6(XTAL0) YW1.1
N16420226: TP10.1(TP) U1.1W2(JTAG-SEL)
N16421057: C69.1 R19.2 Y1.3(XOUT)
N16846076: DU3.2(CATHODE) J1.4 RU3.1
N16846079: DU2.2(CATHODE) J1.3 RU4.1
N16846184: DU1.2(CATHODE) J1.2 RU1.2 RU5.1 RU6.1
N16922585: R43.2 U7.1(SDO)
N16922662: R42.1 U7.11(PS)
N16922793: R46.1 U7.6(INT2)
N16923769: R37.1 U2.1(SDO/AD0)
N16924183: R36.2 U2.7(FSYNC)
N17020418: RU8.1 UU1.3(ISET)
N17060945: DC1.2(CATHODE) JC1.20(DET) RC3.1 RC6.2
N17697156: RM3.2 UM1.A6(VSS5)
N17697160: RM2.2 UM1.J5(VSS4)
N18662691: CP59.2 LP9.2 RP54.1
N18662749: LP2.1 UP1.A14(LX2#A14) UP1.A15(LX2#A15) UP1.B14(LX2#B14) UP1.B15(LX2#B15)
N18662758: LP3.1 UP1.A9(LX3#A9) UP1.A10(LX3#A10) UP1.A11(LX3#A11)
N18662765: CP18.2 LP3.2 RP17.1 RP268.2
N18662772: LP4.1 UP1.A1(LX4#A1) UP1.A2(LX4#A2) UP1.B1(LX4#B1) UP1.B2(LX4#B2)
N18662778: CP27.2 LP4.2 RP24.1 RP269.2
N18662797: CP47.2 LP7.2 RP45.1
N18662807: LP5.1 UP1.A5(LX5#A5) UP1.A6(LX5#A6) UP1.A7(LX5#A7)
N18662816: CP34.2 LP5.2 RP30.1 RP270.2
N18662823: LP1.1 UP1.G15(LX1#G15) UP1.H15(LX1#H15)
N18662827: CP5.2 LP1.2 RP6.1
N18662831: CP39.2 LP6.2 RP41.1
N18662834: LP6.1 UP1.C1(LX6#C1) UP1.D1(LX6#D1)
N18662843: LP7.1 UP1.G1(LX7#G1) UP1.H1(LX7#H1)
N18662859: LP9.1 UP1.J15(LX9#J15) UP1.K15(LX9#K15)
N18662877: LP8.1 UP1.J1(LX8#J1) UP1.K1(LX8#K1)
N18662882: CP6.2 RP11.1 UP1.C13(SW1)
N18662888: CP7.2 RP13.1 UP1.E13(SW2)
N18662918: CP9.2 LP2.2 RP14.1 RP267.2
N19036844: CA16.2 CA19.2 CA20.1 RA21.2 RA102.2
N19036851: CA20.2 CA22.2 CA24.1 RA23.2 RA103.2
N19036859: CA21.2 RA23.1 RA25.1
N19036860: CA21.1 RA19.1 RA21.1
N19036897: CA29.2 RA34.2
N19036898: CA31.2 RA35.2
N19036918: CA32.2 RA32.1
N19036920: CA28.2 RA31.1
N19037011: CA25.1 UA1.16(VEE) UA1.20(CPVEE)
N19037016: CA26.1 UA1.23(CPP)
N19037020: CA26.2 UA1.21(CPN)
N19037031: CA23.1 UA1.34(BYPASS/VDD-CORE)
N20021291: RP4.2 UP1.N4(ALDO1)
N20024777: RP22.2 UP1.P6(BLDO1)
N20024794: RP23.2 UP1.P7(BLDO2)
N20027125: RP32.2 UP1.R10(CLDO2)
N20027189: RP33.2 UP1.P10(CLDO3)
N20027256: RP38.2 UP1.M8(CLDO5)
N20028135: RP56.2 UP1.N15(ELDO6)
N20102709: C3.2 R72.2 U1.1F21(VREFP-ADC)
N20102718: C4.2 U1.1H22(VCM-ADC)
N20423658: CC1.2 QC1.1(G) RC5.2 RC7.2 RC8.1
N20592319: R15.2 R17.2 U1.1T24(WREQIN)
N20760136: CA3.2 CA6.2 CA7.1 RA7.2 RA100.2
N20760138: CA7.2 CA9.2 CA12.1 RA11.2 RA101.2
N20760163: CA8.2 RA11.1 RA13.1
N20760165: CA8.1 RA5.1 RA7.1
N20896224: RL8.2 RL13.2 UL2.4(EN)
N20896354: DL1.1 LL2.2 UL2.1(LX)
N20896373: RL9.1 UL2.3(FB)
N20897399: LL1.2 UL1.D1(SW)
N20897435: CL15.2 UL1.C3(CFLY1)
N20897437: CL15.1 UL1.A3(CFLY2)
N20897982: RL15.1 UL1.C2(SDA)
N20910481: CL14.1 UL1.D3(BSTO2) UL1.E2(BSTO1)
N20919223: RL17.1 UL1.B2(SCL)
N20921053: CV14.1 RV15.1 UV1.4(MODE)
N20921148: RV17.2 UV1.6(RSET)
N20921213: CV10.1 RV13.2 UV1.1(VIN)
N20923430: JV2.37(VDD28-LSENSOR) RV10.1 T178.1(TP)
N20923542: JV2.31(HALL-VDD) RV9.1 T173.1(TP)
N20925531: CV12.1 UV1.2(C1)
N20925545: CV12.2 UV1.3(C2)
N20937598: JU1.14 RU10.2
N20941002: JU1.13 RU9.2
N20948804: CA83.2 CA84.1 CA86.1 RA61.1 RA62.2
N20948834: CA86.2 CA87.1 CA89.1 RA63.2 RA65.2
N20948860: CA85.2 RA62.1
N20948862: CA88.2 RA63.1
N20949019: CA93.2 CA94.1 CA96.1 RA66.1 RA67.2
N20949047: CA96.2 CA97.1 CA99.1 RA68.2 RA69.2
N20949065: CA95.2 RA67.1
N20949067: CA98.2 RA68.1
N20949263: CA90.1 RA64.1 UA6.4(RETN)
N20949310: CA100.1 UA6.8(VREF)
N20957595: K1.1 K1.2 R34.1
N20960276: C95.2 D6.2 J11.1 J11.3 R40.2
N20968383: RA48.1 UA3.A1(VOP)
N20968451: CA48.1 RA41.1
N20968463: CA50.1 RA45.1
N20968465: CA52.2 RA41.2 UA3.E2(INN)
N20968467: CA52.1 RA45.2 UA3.E1(INP)
N20968881: CA47.1 RA42.1
N20968890: CA49.1 RA46.1
N20968892: CA51.2 RA42.2 UA2.E2(INN)
N20968894: CA51.1 RA46.2 UA2.E1(INP)
N20973990: RA54.1 UA5.C1(VON)
N20973992: RA58.1 UA5.A1(VOP)
N20974080: CA70.1 RA53.1
N20974082: CA72.1 RA57.1
N20974084: CA74.2 RA53.2 UA5.E2(INN)
N20974086: CA74.1 RA57.2 UA5.E1(INP)
N20979571: CA69.1 RA51.1
N20979573: CA71.1 RA55.1
N20979585: CA73.2 RA51.2 UA4.E2(INN)
N20979587: CA73.1 RA55.2 UA4.E1(INP)
N21687669: RW1.1 U1.1N3(PG0/SDC1-CLK/LCD0-D0/PWM1-1/LPC)
N21811243: R73.2 U1.1H13(AVDD-HPD-AUX)
N21811309: R75.2 U1.1F15(AVDD-C-COMB0) U1.1G15(AVDD-D-COMB0)
N21811321: R74.2 U1.1E15(AVDD-H-COMB0)
N21845215: RP225.2 RP237.1 UP2.C1(OVLO)
N21860248: RP253.2 UP4.17(VMID1) UP4.18(VMID2)
N21860339: RP5.1 UP4.29(IRQ)
N21860373: RP243.1 UP4.31(PWROK)
N21860402: CP116.2 RP244.1 UP4.30(PWRON)
N21860436: DP2.1 RP245.2
N21860438: DP2.2 UP4.35(CHGLED)
N21860493: CP121.1 RP246.5(SRN) UP4.37(CSN)
N21860562: CP122.1 RP246.1(IN1) RP246.3(IN2) UP4.1(BAT5) UP4.2(BAT4) UP4.3(BAT3) UP4.39(BAT2) UP4.40(BAT1)
N21860568: CP121.2 RP246.2(SRP) UP4.38(CSP)
N21860645: RP247.1 UP4.8(NC3)
N21860647: RP248.1 UP4.9(NC4)
N21860731: CP125.1 CP130.2 LP10.1 UP4.10(SW1) UP4.11(SW2) UP4.12(SW3) UP4.13(SW4) UP4.14(SW5)
N21860751: CP125.2 UP4.15(BTST)
N21860763: CP124.2 UP4.16(REGN)